# Altium PCB BLDC_DRIVER_1.1_auto.PcbDoc (part 1 of 3)
Units mm, origin at the board's own origin, x right, y up, seen from the top; angles counter-clockwise.
Board outline 152.4 x 126.75 mm, 4 copper layers (Top Layer, Signal Layer 1, Signal Layer 2, Bottom Layer), stack 0.847 mm thick; 192 components, 186 nets, 852 pads, 371 vias.
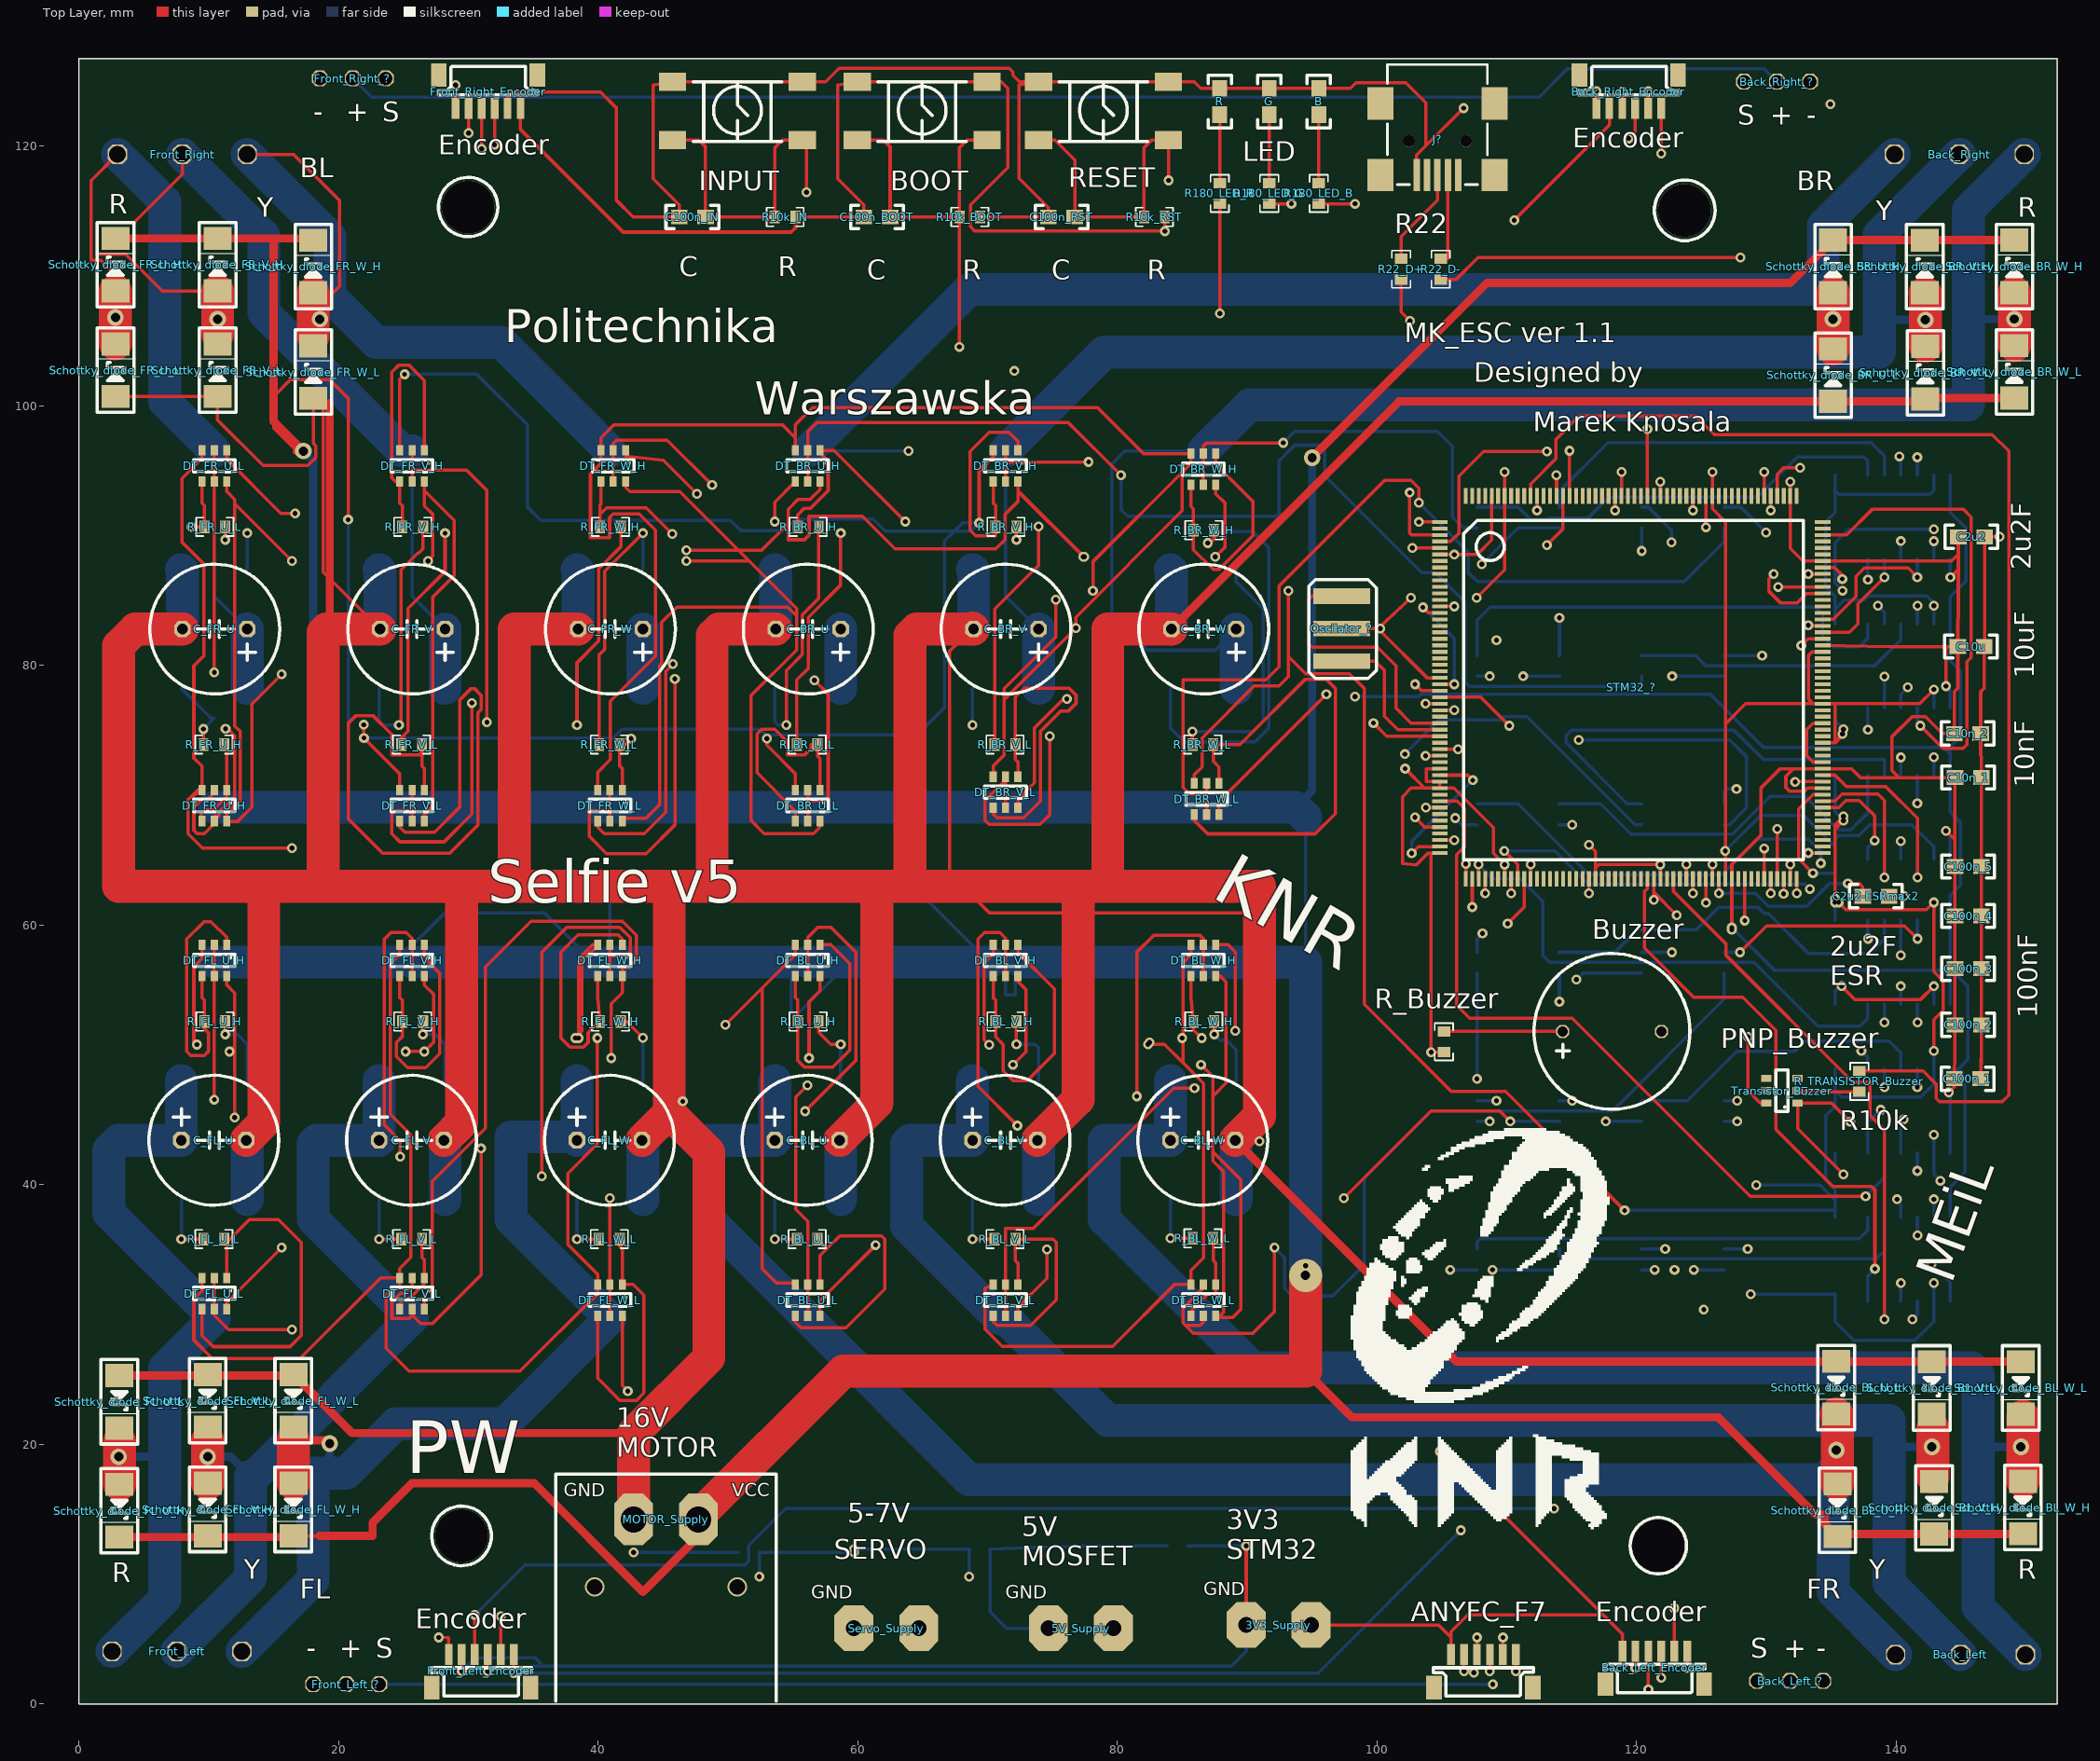
[diagram p0: Top Layer view]
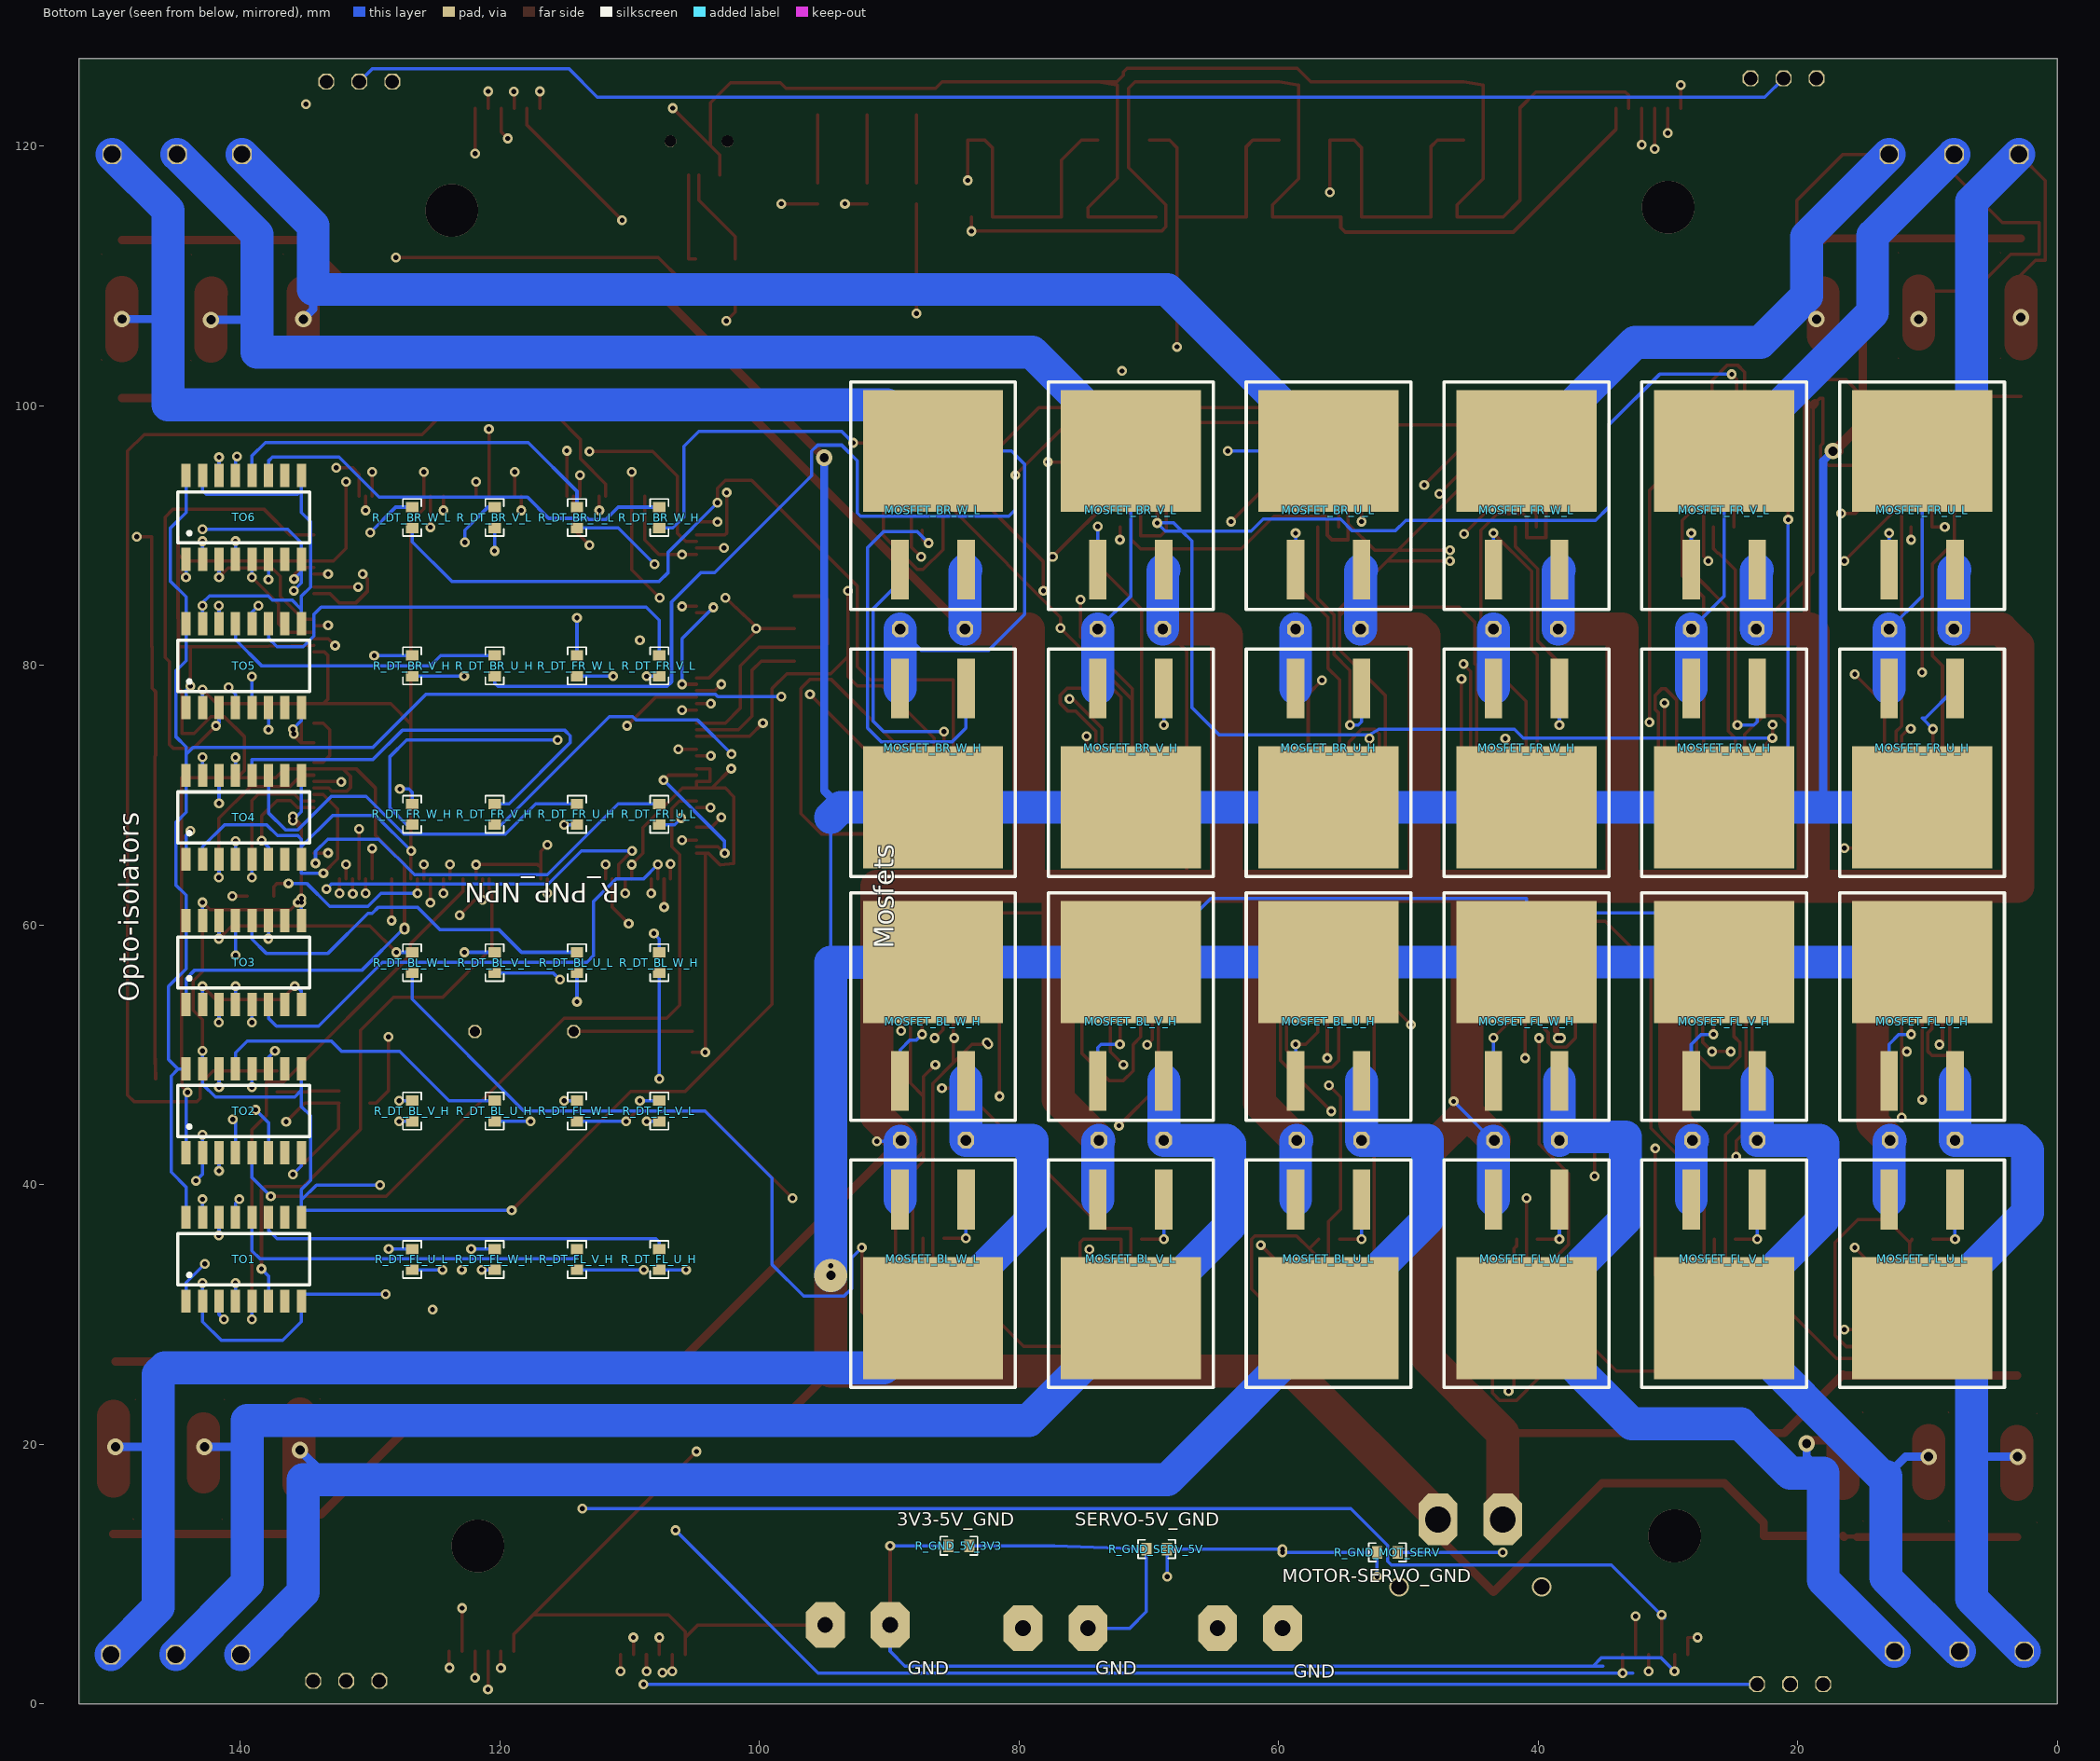
[diagram p1: Bottom Layer view, seen from below]
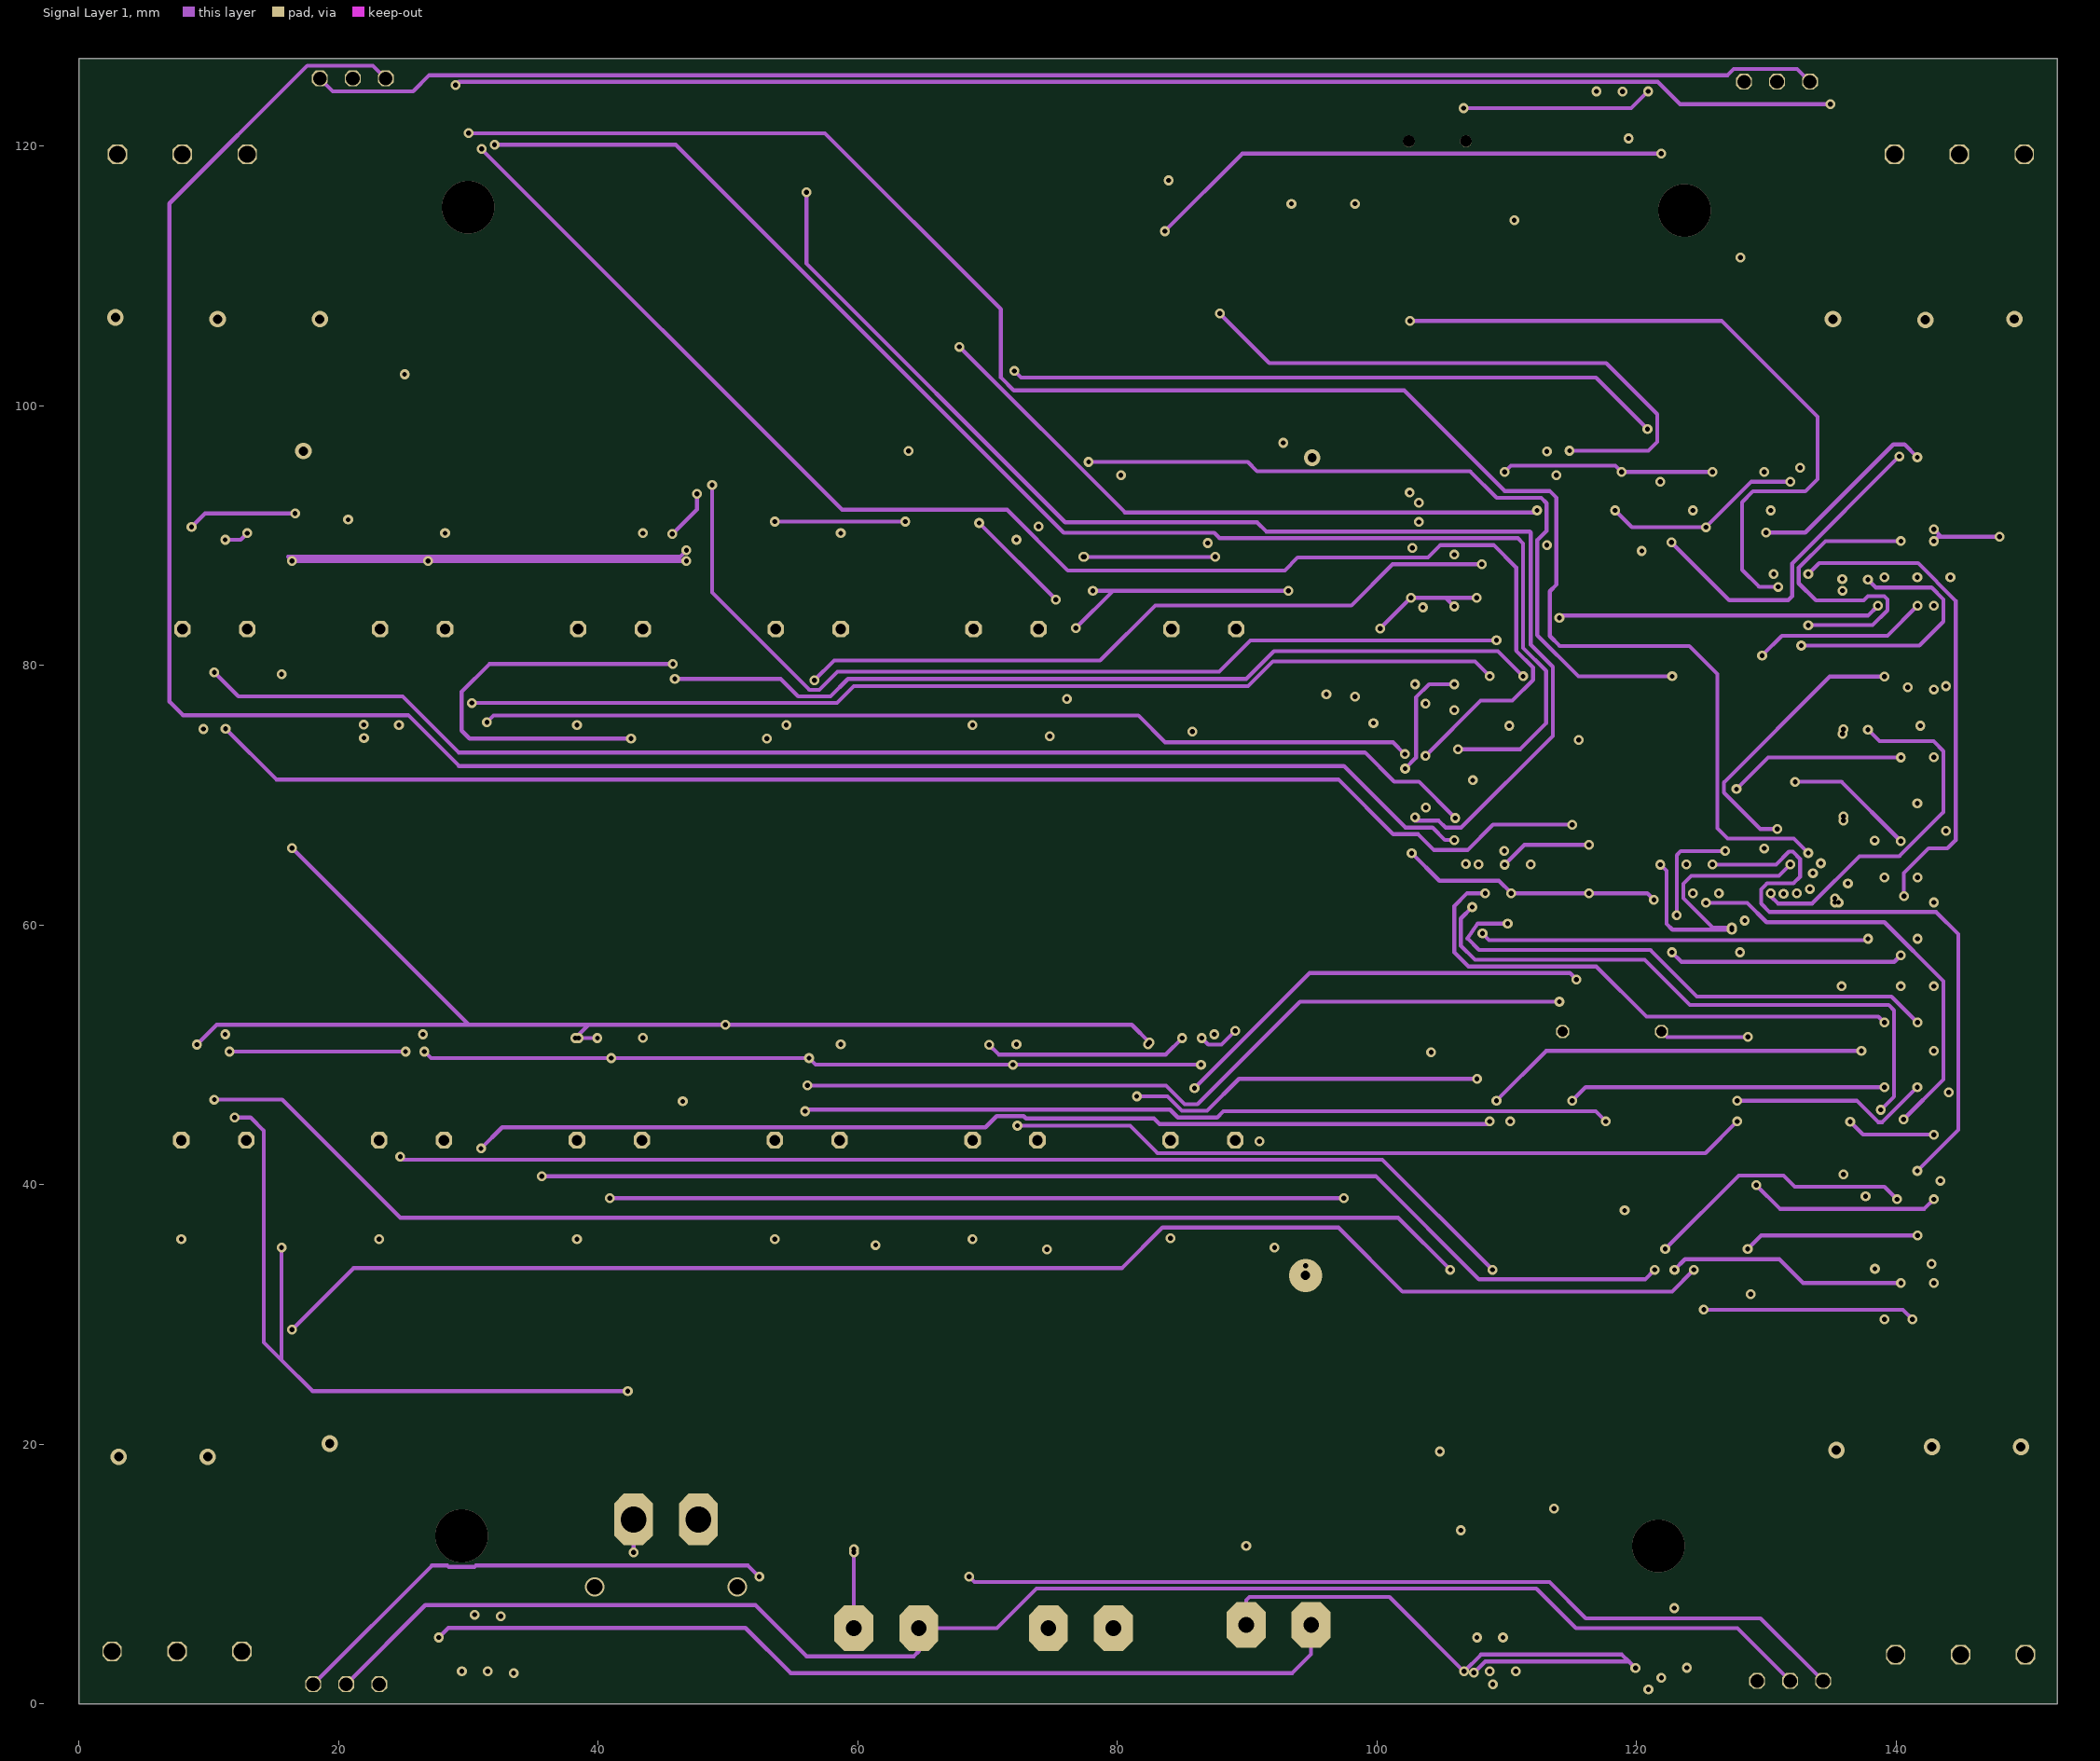
[diagram p2: Signal Layer 1]
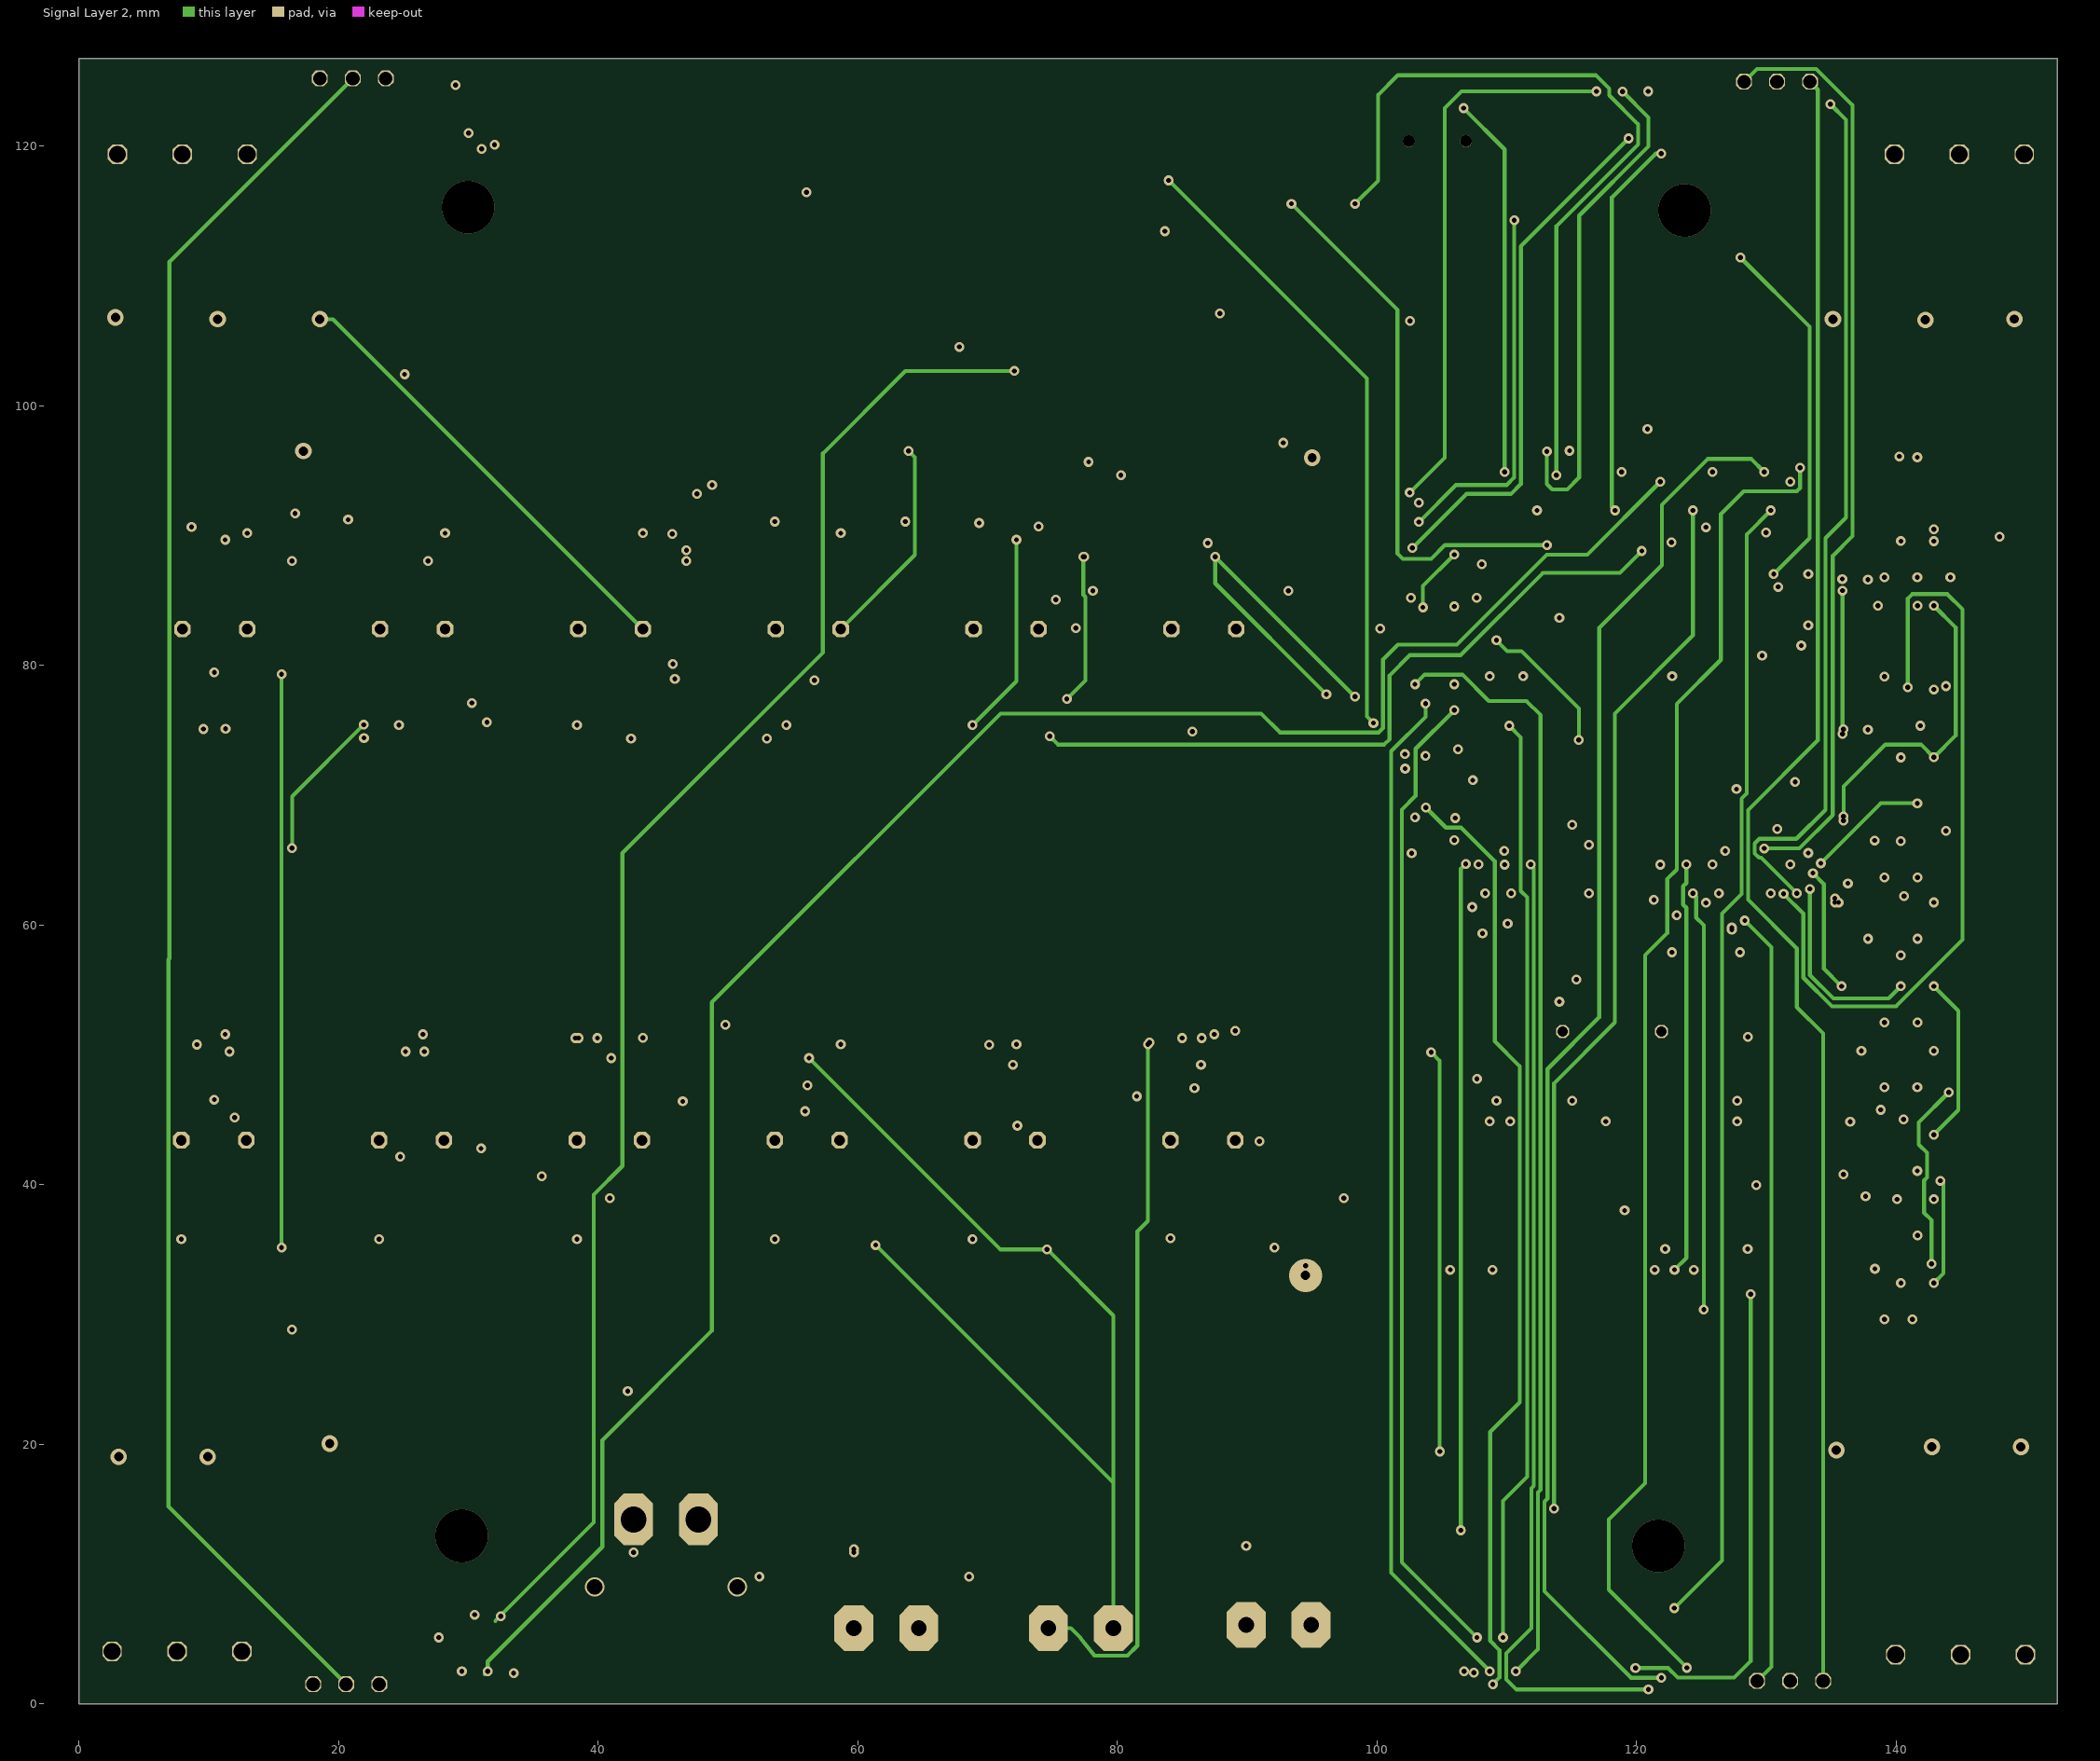
[diagram p3: Signal Layer 2]

## Layer stack, top to bottom
Top Solder: solder mask 0.0102, Solder Resist, Dk 3.5
Top Layer: signal copper 0.1041
Dielectric 1: core 0.254, FR-4, Dk 4.2
Signal Layer 1: signal copper 0.036
Dielectric 2: prepreg 0.127, Dk 4.2
Signal Layer 2: signal copper 0.036
Dielectric 5: core 0.254, Dk 4.2
Bottom Layer: signal copper 0.0356
Bottom Solder: solder mask 0.0102, Solder Resist, Dk 3.5

## Board outline
0,0 152.4,0 152.4,126.746 0,126.746

## Design rules (kind name [scope] priority, off if disabled: settings)
Clearance [All] p1: gap=0.203
PolygonConnect [All] p1: connectstyle=Relief reliefconductorwidth=0.254 reliefentries=4 polygonreliefangle="90 Angle" airgapwidth=0.254
RoutingVias [All] p1: holewidth=0.381 width=0.762 viastyle="Through Hole" minholewidth=0.381 minwidth=0.762 maxholewidth=0.711 maxwidth=1.27
SolderMaskExpansion [All] p1: expansion=0.102
Width [All] p1: maxlimit=2.54 minlimit=0.254 preferedwidth=0.305 toplayer_prefwidth=0.254 midlayer1_maxwidth=1.27 midlayer2_maxwidth=1.27 bottomlayer_prefwidth=0.254 minimp=50.000000 maximp=50.000000 favimp=50.000000
30 further rules are at their usual default settings.

## Components (designator, comment, footprint, x,y, rotation, side; value= is the part's Value field where it differs from the comment)
3V3_Supply "2-pin" 2-pin-zielony-prosty 89.916,6.096 r0 top
5V_Supply "2-pin" 2-pin-zielony-prosty 74.676,5.842 r0 top
ANYFC_F7 "SPI" "JST SR SH 1.0 TOP" 104.394,1.27 r0 top
B "LED" 0603 95.504,122.428 r90 top
Back_Left "3_phase_engine_con" DG300-5.0-03P-12-00A 139.954,3.81 r0 top
Back_Left_? "Servo_con" Raster_2.54_3pin 134.366,1.778 r180 top
Back_Left_Encoder "SPI" "JST SR SH 1.0 TOP" 117.602,1.524 r0 top
Back_Right "3_phase_engine_con" DG300R-5.0-03P-12-00A(H) 149.86,119.38 r180 top
Back_Right_? "Servo_con" Raster_2.54_3pin 133.35,124.968 r180 top
Back_Right_Encoder "SPI" "JST SR SH 1.0 TOP" 123.19,125.476 r180 top
BOOT "Tact_Switch" "LSH Gullwing" 59.944,124.968 r180 top
Buzzer "LD-BZEG-1205/3" Buzzer_LOUDITY 114.3,51.816 r180 top
C2u2 "Cap" 0603 146.812,89.916 r180 top
C2u2-ESRmax2 "Cap" 0603 139.446,62.23 r180 top
C10n_1 "Cap" 0603 146.558,71.374 r180 top
C10n_2 "Cap" 0603 146.506,74.765 r180 top
C10u "Cap" 0603 146.776,81.463 r180 top
C100n_1 "Cap" 0603 146.506,48.167 r180 top
C100n_2 "Cap" 0603 146.558,52.324 r180 top
C100n_3 "Cap" 0603 146.558,56.642 r180 top
C100n_4 "Cap" 0603 146.558,60.706 r180 top
C100n_5 "Cap" 0603 146.558,64.516 r180 top
C100n_BOOT "Cap" 0603 62.484,114.554 r180 top
C100n_IN "Cap" 0603 48.26,114.554 r180 top
C100n_RST "Cap" 0603 76.708,114.554 r180 top
C_BL_U "Cap_pol" 5mm 53.594,43.434 r0 top
C_BL_V "Cap_pol" 5mm 68.834,43.434 r0 top
C_BL_W "Cap_pol" 5mm 84.074,43.434 r0 top
C_BR_U "Cap_pol" 5mm 58.674,82.804 r180 top
C_BR_V "Cap_pol" 5mm 73.914,82.804 r180 top
C_BR_W "Cap_pol" 5mm 89.154,82.804 r180 top
C_FL_U "Cap_pol" 5mm 7.874,43.434 r0 top
C_FL_V "Cap_pol" 5mm 23.114,43.434 r0 top
C_FL_W "Cap_pol" 5mm 38.354,43.434 r0 top
C_FR_U "Cap_pol" 5mm 12.954,82.804 r180 top
C_FR_V "Cap_pol" 5mm 28.194,82.804 r180 top
C_FR_W "Cap_pol" 5mm 43.434,82.804 r180 top
DT_BL_U_H "Dual_transistors" SOT457 56.134,55.626 r180 top
DT_BL_U_L "Dual_transistors" SOT457 56.134,29.464 r180 top
DT_BL_V_H "Dual_transistors" SOT457 71.374,55.626 r180 top
DT_BL_V_L "Dual_transistors" SOT457 71.374,29.464 r180 top
DT_BL_W_H "Dual_transistors" SOT457 86.614,55.626 r180 top
DT_BL_W_L "Dual_transistors" SOT457 86.614,29.464 r180 top
DT_BR_U_H "Dual_transistors" SOT457 56.134,93.726 r180 top
DT_BR_U_L "Dual_transistors" SOT457 56.134,67.564 r180 top
DT_BR_V_H "Dual_transistors" SOT457 71.374,93.726 r180 top
DT_BR_V_L "Dual_transistors" SOT457 71.374,68.58 r180 top
DT_BR_W_H "Dual_transistors" SOT457 86.614,93.472 r180 top
DT_BR_W_L "Dual_transistors" SOT457 86.868,68.072 r180 top
DT_FL_U_H "Dual_transistors" SOT457 10.414,55.626 r180 top
DT_FL_U_L "Dual_transistors" SOT457 10.414,29.972 r180 top
DT_FL_V_H "Dual_transistors" SOT457 25.654,55.626 r180 top
DT_FL_V_L "Dual_transistors" SOT457 25.654,29.972 r180 top
DT_FL_W_H "Dual_transistors" SOT457 40.894,55.626 r180 top